# Altium PCB PCB.PcbDoc (part 1 of 2)
Units mil, origin at the board's own origin, x right, y up, seen from the top; angles counter-clockwise.
Board outline 5365 x 4803.15 mil, 2 copper layers (Top Layer, Bottom Layer); 200 components, 155 nets, 566 pads, 109 vias.
Unrouted connection lines stored in the file: 117.
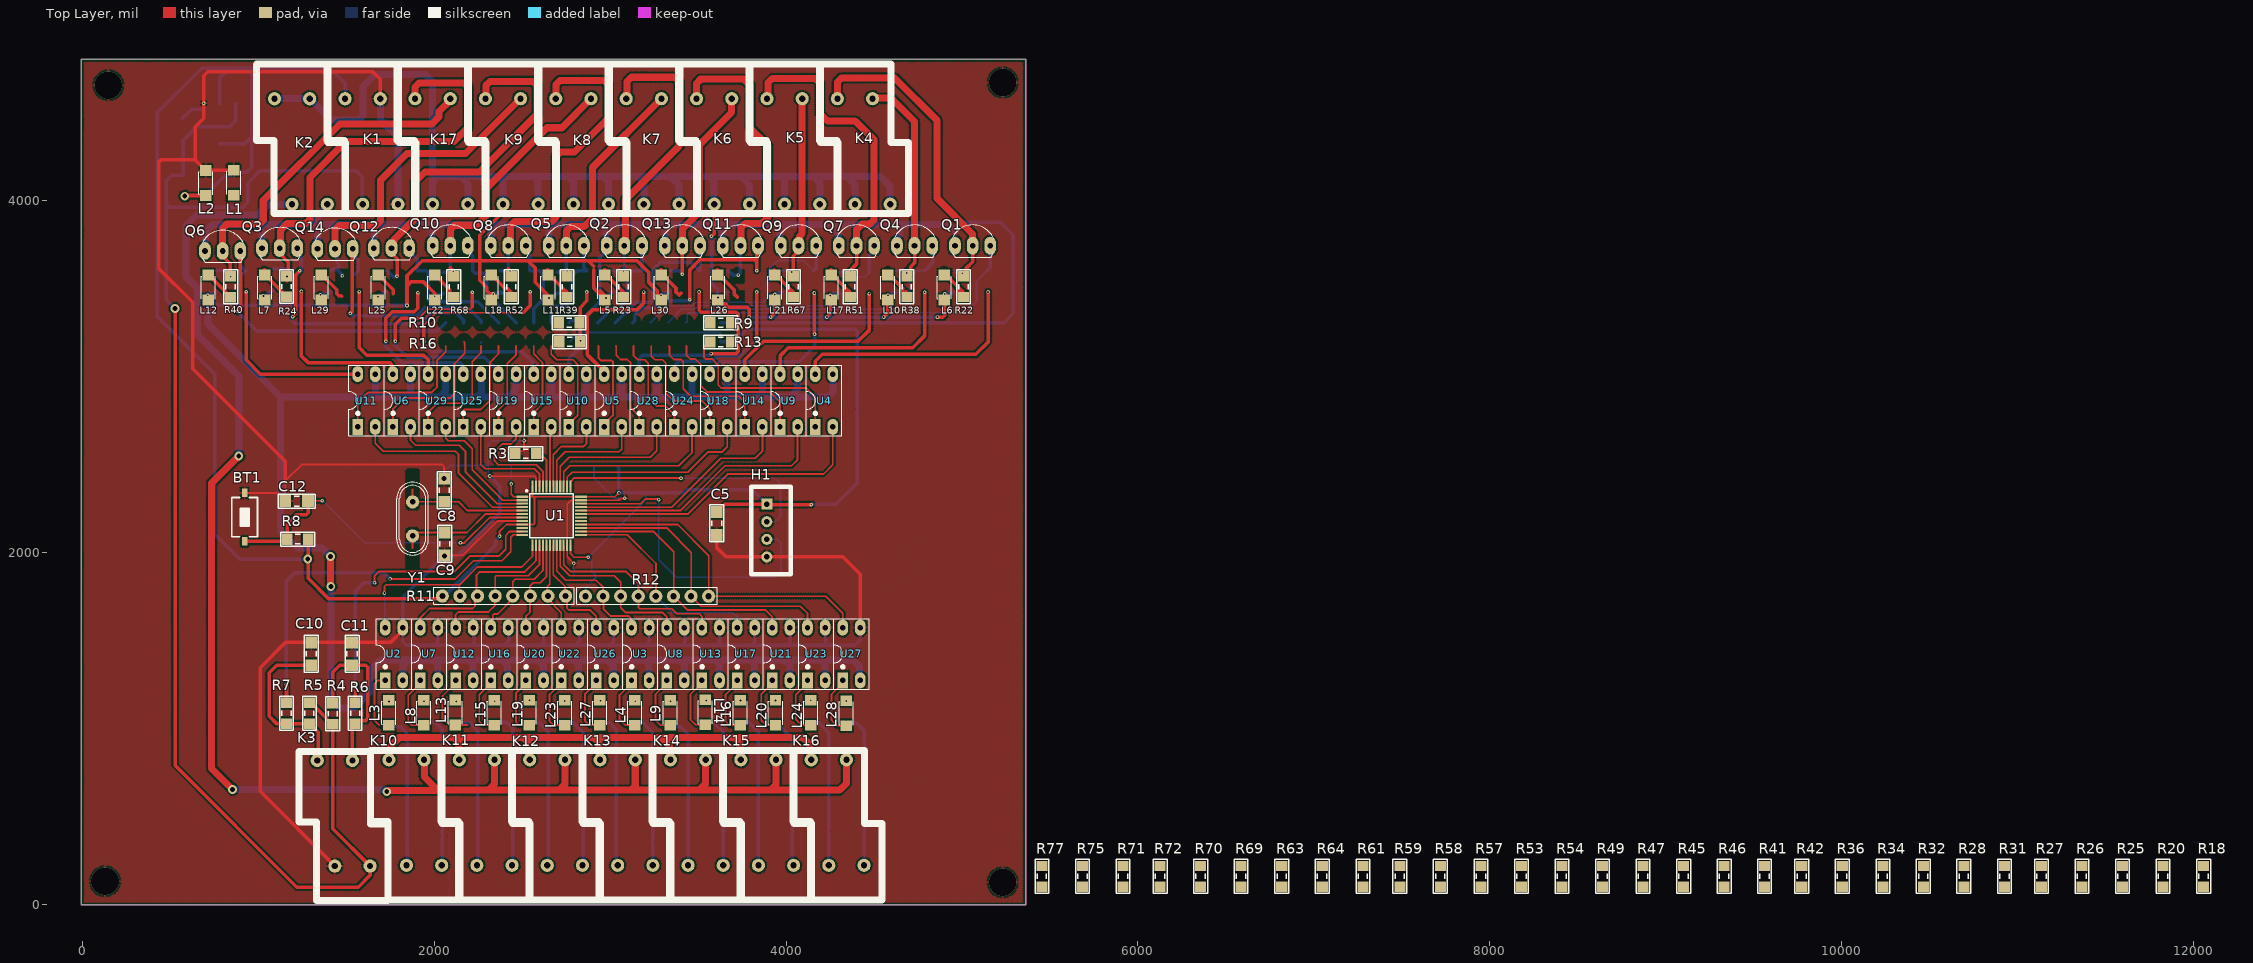
[diagram p0: Top Layer view]
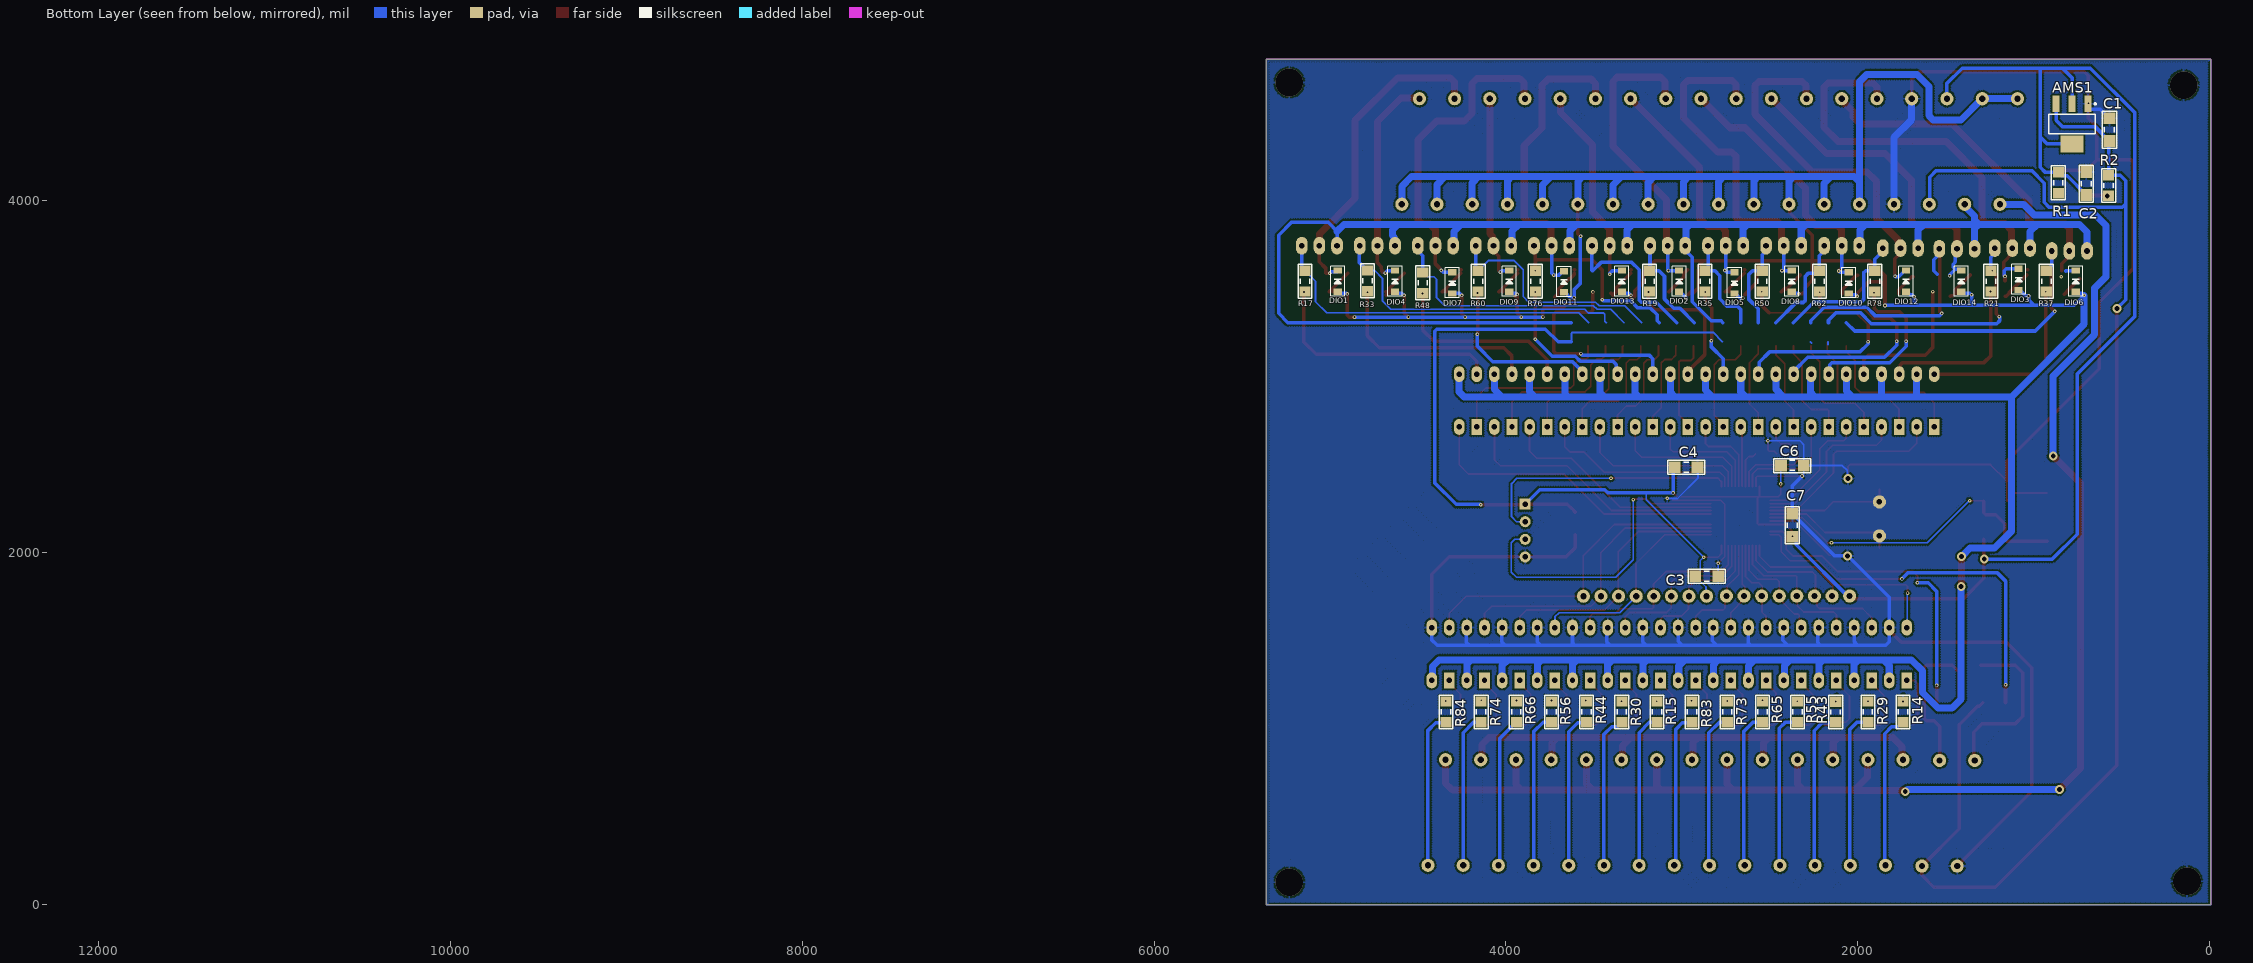
[diagram p1: Bottom Layer view, seen from below]

## Layer stack, top to bottom
Top Solder: solder mask 0.4, Solder Resist, Dk 3.5
Top Layer: signal copper 1.4
Dielectric 1: dielectric 12.6, FR-4, Dk 4.8
Bottom Layer: signal copper 1.4
Bottom Solder: solder mask 0.4, Solder Resist, Dk 3.5

## Board outline
-4,-3 -4,4800.15 5361,4800.15 5361,-3

## Design rules (kind name [scope] priority, off if disabled: settings)
Clearance [All] p1: gap=10 ignorepadtopadclearanceinfootprint=FALSE
PolygonConnect [All] p1: connectstyle=Relief reliefconductorwidth=10 reliefentries=4 polygonreliefangle="90 Angle" airgapwidth=10
RoutingVias [All] p1: holewidth=15 width=30 viastyle="Through Hole" minholewidth=10 minwidth=20 maxholewidth=28 maxwidth=50
SolderMaskExpansion [All] p1: expansion=4 istentingtop=FALSE
Width [All] p1: maxlimit=40 minlimit=10 preferedwidth=20
30 further rules are at their usual default settings.

## Components (designator, comment, footprint, x,y, rotation, side; value= is the part's Value field where it differs from the comment)
AMS1 "AMS1117-3.3V" SOT223 783,4434 r0 bottom value="AMS1117-3.3V SOT223"
BT1 "Nut Nhan 2 Chan SMD 3x6x2.5" "Nut Nhan 2 Chan SMD 3x6x2.5" 923.37,2199.26 r270 top
C1 "106" "tu 1206" 570,4401 r90 bottom
C2 "106" "tu 1206" 702,4095 r90 bottom
C3 "104" "tu 1206" 2858.77,1863.24 r180 bottom
C4 "104" "tu 1206" 2976.56,2482.47 r180 bottom
C5 "104" "tu 1206" 3605.14,2163.41 r270 top
C6 "104" "tu 1206" 2372.23,2492.32 r180 bottom
C7 "104" "tu 1206" 2372,2153 r90 bottom
C8 "22pF" "tu 1206" 2058,2352 r90 top
C9 "104" "tu 1206" 2060,2047 r270 top
C10 "104" "tu 1206" 1302,1422 r90 top
C11 "104" "tu 1206" 1534,1422 r90 top
C12 "105" "tu 1206" 1218.96,2290.31 r180 top
DIO1 "Diode SMD" DIO-SMD-123 4955.18,3540.31 r270 bottom value=1N5007
DIO2 "Diode SMD" DIO-SMD-123 3016.2,3540.31 r270 bottom value=1N5007
DIO3 "Diode SMD" DIO-SMD-123 1087.07,3550.15 r270 bottom value=1N5007
DIO4 "Diode SMD" DIO-SMD-123 4630.38,3540.31 r270 bottom value=1N5007
DIO5 "Diode SMD" DIO-SMD-123 2701.24,3530.46 r270 bottom value=1N5007
DIO6 "Diode SMD" DIO-SMD-123 762.27,3540.31 r270 bottom value=1N5007
DIO7 "Diode SMD" DIO-SMD-123 4305.57,3530.46 r270 bottom value=1N5007
DIO8 "Diode SMD" DIO-SMD-123 2376.44,3540.31 r270 bottom value=1N5007
DIO9 "Diode SMD" DIO-SMD-123 3980.77,3540.31 r270 bottom value=1N5007
DIO10 "Diode SMD" DIO-SMD-123 2051.64,3530.46 r270 bottom value=1N5007
DIO11 "Diode SMD" DIO-SMD-123 3670.14,3537.14 r270 bottom value=1N5007
DIO12 "Diode SMD" DIO-SMD-123 1726.83,3540.31 r270 bottom value=1N5007
DIO13 "Diode SMD" DIO-SMD-123 3341.01,3540.31 r270 bottom value=1N5007
DIO14 "Diode SMD" DIO-SMD-123 1411.87,3540.31 r270 bottom value=1N5007
H1 "Header 4P 2.54 Duc Thang" XH2.54M-4 3890.57,2273.25 r270 top
K1 "Domino" KF128HL_2P 1594.19,3976.77 r90 top
K2 "Domino" KF128HL_2P 1193,3977 r90 top
K3 "Domino" KF128HL_2P 1536.01,816.53 r270 top
K4 "Domino" KF128HL_2P 4391.65,3977.32 r90 top
K5 "Domino" KF128HL_2P 3991.65,3977.32 r90 top
K6 "Domino" KF128HL_2P 3591.65,3977.32 r90 top
K7 "Domino" KF128HL_2P 3191.65,3977.32 r90 top
K8 "Domino" KF128HL_2P 2791.65,3977.32 r90 top
K9 "Domino" KF128HL_2P 2391.65,3977.32 r90 top
K10 "Domino" KF128HL_2P 1943.09,820.46 r270 top
K11 "Domino" KF128HL_2P 2343.09,820.46 r270 top
K12 "Domino" KF128HL_2P 2743.09,820.46 r270 top
K13 "Domino" KF128HL_2P 3143.09,820.46 r270 top
K14 "Domino" KF128HL_2P 3543.09,820.46 r270 top
K15 "Domino" KF128HL_2P 3943.09,820.46 r270 top
K16 "Domino" KF128HL_2P 4343.09,820.46 r270 top
K17 "Domino" KF128HL_2P 1991.65,3977.32 r90 top
L1 "LED 0805" LED-1206-Red 861,4029 r90 top
L2 "LED 0805" LED-1206-Red 702,4027 r90 top
L3 "LED 0805" LED-1206-Green 1742.31,1158.3 r270 top
L4 "LED 0805" LED-1206-Green 3140.95,1158.3 r270 top
L5 "LED 0805" LED-1206-Green 2969.03,3575.24 r270 top
L6 "LED 0805" LED-1206-Green 4900.15,3575.24 r270 top
L7 "LED 0805" LED-1206-Green 1037.91,3575.24 r270 top
L8 "LED 0805" LED-1206-Green 1942.11,1158.3 r270 top
L9 "LED 0805" LED-1206-Green 3340.76,1158.3 r270 top
L10 "LED 0805" LED-1206-Green 4578.3,3575.24 r270 top
L11 "LED 0805" LED-1206-Green 2647.18,3575.24 r270 top
L12 "LED 0805" LED-1206-Green 716.06,3575.24 r270 top
L13 "LED 0805" LED-1206-Green 2121,1160 r270 top
L14 "LED 0805" LED-1206-Green 3542,1161 r270 top
L15 "LED 0805" LED-1206-Green 2341.73,1158.3 r270 top
L16 "LED 0805" LED-1206-Green 3740.37,1158.3 r270 top
L17 "LED 0805" LED-1206-Green 4256.45,3575.24 r270 top
L18 "LED 0805" LED-1206-Green 2325.32,3575.24 r270 top
L19 "LED 0805" LED-1206-Green 2541.53,1158.3 r270 top
L20 "LED 0805" LED-1206-Green 3940.18,1158.3 r270 top
L21 "LED 0805" LED-1206-Green 3934.59,3575.24 r270 top
L22 "LED 0805" LED-1206-Green 2003.47,3575.24 r270 top
L23 "LED 0805" LED-1206-Green 2741.34,1158.3 r270 top
L24 "LED 0805" LED-1206-Green 4139.99,1158.3 r270 top
L25 "LED 0805" LED-1206-Green 1681.62,3575.24 r270 top
L26 "LED 0805" LED-1206-Green 3612.74,3575.24 r270 top
L27 "LED 0805" LED-1206-Green 2941.15,1158.3 r270 top
L28 "LED 0805" LED-1206-Green 4342,1156 r270 top
L29 "LED 0805" LED-1206-Green 1359.76,3575.24 r270 top
L30 "LED 0805" LED-1206-Green 3290.89,3575.24 r270 top
Q1 "2SA1020" TO92-123 5060,3742 r0 top value=A1015
Q2 "2SA1020" TO92-123 3081.38,3742 r0 top value=A1015
Q3 "2SA1020" TO92-123 1122,3728 r0 top value=A1015
Q4 "2SA1020" TO92-123 4730.23,3742 r0 top value=A1015
Q5 "2SA1020" TO92-123 2751.62,3742 r0 top value=A1015
Q6 "2SA1020" TO92-123 798,3712 r0 top value=A1015
Q7 "2SA1020" TO92-123 4400.46,3742 r0 top value=A1015
Q8 "2SA1020" TO92-123 2421.85,3742 r0 top value=A1015
Q9 "2SA1020" TO92-123 4070.69,3742 r0 top value=A1015
Q10 "2SA1020" TO92-123 2092.08,3742 r0 top value=A1015
Q11 "2SA1020" TO92-123 3740.92,3742 r0 top value=A1015
Q12 "2SA1020" TO92-123 1758,3728 r0 top value=A1015
Q13 "2SA1020" TO92-123 3411.15,3742 r0 top value=A1015
Q14 "2SA1020" TO92-123 1437,3724 r0 top value=A1015
R1 "1k" "tro smd 1206" 861,4099.06 r90 bottom
R2 "1k" "tro smd 1206" 575,4084 r90 bottom
R3 "10k" "tro smd 1206" 2521,2560 r180 top
R4 "10k" "tro smd 1206" 1424,1082 r270 top
R5 "10k" "tro smd 1206" 1291.17,1085.32 r90 top
R6 "10k" "tro smd 1206" 1551.17,1085.32 r270 top
R7 "10k" "tro smd 1206" 1161.17,1085.32 r270 top
R8 "10k" "tro smd 1206" 1224.87,2073.77 r0 top
R9 "100K" "tro smd 1206" 3629,3304 r180 top
R10 "100K" "tro smd 1206" 2767,3304 r180 top
R11 "1kOhm" RESISTOR_BAR 2047,1751 r0 top
R12 "1kOhm" RESISTOR_BAR 2860,1750 r0 top
R13 "100K" "tro smd 1206" 3628,3195 r180 top
R14 "1.8k" "tro smd 1206" 1743.24,1092.36 r90 bottom
R15 "1.8k" "tro smd 1206" 3141.89,1092.36 r90 bottom
R16 "470k" "tro smd 1206" 2770,3196 r180 top
R17 "10k" "tro smd 1206" 5142.19,3540.31 r270 bottom
R18 "10k" "tro smd 1206" 12056,158 r90 top
R19 "470k" "tro smd 1206" 3183.53,3540.31 r270 bottom
R20 "470k" "tro smd 1206" 11825,158 r90 top
R21 "10k" "tro smd 1206" 1244.55,3540.31 r270 bottom
R22 "2.2k" "tro smd 1206" 5008.38,3509.31 r90 top
R23 "2.2k" "tro smd 1206" 3077.25,3509.31 r90 top
R24 "2.2k" "tro smd 1206" 1161,3510.06 r90 top
R25 "100K" "tro smd 1206" 11595,158 r90 top
R26 "100K" "tro smd 1206" 11364,158 r90 top
R27 "100K" "tro smd 1206" 11134,158 r90 top
R28 "470k" "tro smd 1206" 10693,158 r90 top
R29 "1.8k" "tro smd 1206" 1943.05,1092.36 r90 bottom
R30 "1.8k" "tro smd 1206" 3341.7,1092.36 r90 bottom
R31 "10k" "tro smd 1206" 10924,158 r90 top
R32 "470k" "tro smd 1206" 10463,158 r90 top
R33 "10k" "tro smd 1206" 4787,3542 r270 bottom
R34 "470k" "tro smd 1206" 10233,158 r90 top
R35 "10k" "tro smd 1206" 2868.57,3540.31 r270 bottom
R36 "2.2k" "tro smd 1206" 10002,158 r90 top
R37 "2.2k" "tro smd 1206" 929.59,3540.31 r270 bottom
R38 "2.2k" "tro smd 1206" 4686.52,3509.31 r90 top
R39 "100K" "tro smd 1206" 2755.4,3509.31 r90 top
R40 "100K" "tro smd 1206" 844,3509 r90 top
R41 "470k" "tro smd 1206" 9561,158 r90 top
R42 "10k" "tro smd 1206" 9772,158 r90 top
R43 "1.8k" "tro smd 1206" 2126,1092 r90 bottom
R44 "1.8k" "tro smd 1206" 3541.5,1092.36 r90 bottom
R45 "470k" "tro smd 1206" 9101,158 r90 top
R46 "10k" "tro smd 1206" 9331,158 r90 top
R47 "2.2k" "tro smd 1206" 8870,158 r90 top
R48 "2.2k" "tro smd 1206" 4472.9,3530.46 r270 bottom
R49 "100K" "tro smd 1206" 8640,158 r90 top
R50 "100K" "tro smd 1206" 2543.76,3540.31 r270 bottom
R51 "470k" "tro smd 1206" 4364.67,3509.31 r90 top
R52 "10k" "tro smd 1206" 2438.5,3509.31 r90 top
R53 "470k" "tro smd 1206" 8179,158 r90 top
R54 "10k" "tro smd 1206" 8409,158 r90 top
R55 "1.8k" "tro smd 1206" 2342.66,1092.36 r90 bottom
R56 "1.8k" "tro smd 1206" 3741.31,1092.36 r90 bottom
R57 "2.2k" "tro smd 1206" 7949,158 r90 top
R58 "2.2k" "tro smd 1206" 7718,158 r90 top
R59 "100K" "tro smd 1206" 7488,158 r90 top
R60 "100K" "tro smd 1206" 4157.94,3540.31 r270 bottom
R61 "470k" "tro smd 1206" 7278,158 r90 top
R62 "10k" "tro smd 1206" 2218.96,3540.31 r270 bottom
R63 "470k" "tro smd 1206" 6817,158 r90 top
R64 "10k" "tro smd 1206" 7047,158 r90 top
R65 "1.8k" "tro smd 1206" 2542.47,1092.36 r90 bottom
R66 "1.8k" "tro smd 1206" 3941.12,1092.36 r90 bottom
R67 "2.2k" "tro smd 1206" 4042.81,3509.31 r90 top
R68 "2.2k" "tro smd 1206" 2111.69,3509.31 r90 top
R69 "100K" "tro smd 1206" 6586,158 r90 top
R70 "100K" "tro smd 1206" 6356,158 r90 top
R71 "470k" "tro smd 1206" 5915,158 r90 top
R72 "10k" "tro smd 1206" 6126,158 r90 top
R73 "1.8k" "tro smd 1206" 2742.28,1092.36 r90 bottom
R74 "1.8k" "tro smd 1206" 4140.92,1092.36 r90 bottom
R75 "470k" "tro smd 1206" 5685,158 r90 top
R76 "10k" "tro smd 1206" 3833.13,3540.31 r270 bottom
R77 "2.2k" "tro smd 1206" 5454,158 r90 top
R78 "2.2k" "tro smd 1206" 1904,3540.31 r270 bottom
R83 "1.8k" "tro smd 1206" 2942.08,1092.36 r90 bottom
R84 "1.8k" "tro smd 1206" 4340.73,1092.36 r90 bottom
U1 "STM32F103C8T6" LQFP-48_19.6_393_58X11_SMD 2667.5,2206.88 r0 top
U2 "PC817" DIP4 1721.79,1271.62 r0 top
U3 "PC817" DIP4 3121.79,1271.62 r0 top
U4 "PC817" DIP4 4165.74,2711.95 r0 top
U5 "PC817" DIP4 2965.74,2711.95 r0 top
U6 "PC817" DIP4 1765.74,2711.95 r0 top
U7 "PC817" DIP4 1921.79,1271.62 r0 top
U8 "PC817" DIP4 3321.79,1271.62 r0 top
U9 "PC817" DIP4 3965.74,2711.95 r0 top
U10 "PC817" DIP4 2765.74,2711.95 r0 top
U11 "PC817" DIP4 1565.74,2711.95 r0 top
U12 "PC817" DIP4 2121.79,1271.62 r0 top
U13 "PC817" DIP4 3521.79,1271.62 r0 top
U14 "PC817" DIP4 3765.74,2711.95 r0 top
U15 "PC817" DIP4 2565.74,2711.95 r0 top
U16 "PC817" DIP4 2321.79,1271.62 r0 top
U17 "PC817" DIP4 3721.79,1271.62 r0 top
U18 "PC817" DIP4 3565.74,2711.95 r0 top
U19 "PC817" DIP4 2365.74,2711.95 r0 top
U20 "PC817" DIP4 2521.79,1271.62 r0 top
U21 "PC817" DIP4 3921.79,1271.62 r0 top
U22 "PC817" DIP4 2721.79,1271.62 r0 top
U23 "PC817" DIP4 4121.79,1271.62 r0 top
U24 "PC817" DIP4 3365.74,2711.95 r0 top
U25 "PC817" DIP4 2165.74,2711.95 r0 top
U26 "PC817" DIP4 2921.79,1271.62 r0 top
U27 "PC817" DIP4 4321.79,1271.62 r0 top
U28 "PC817" DIP4 3165.74,2711.95 r0 top
U29 "PC817" DIP4 1965.74,2711.95 r0 top
Y1 "16Mhz" "Thach Anh 2 chan cam" 1877.91,2189.21 r270 top value=4Mhz

## Footprints (in the part's own frame and the unit in brackets; to place one, negate y for a bottom-side part, rotate by r counter-clockwise, add the part's x,y. Pads: shape width x height; smd on the part's side, far side on the other; paste and mask are expansions set on the pad)
DIO-SMD-123 [mm]
  rect 0.9x1.2 smd: 1(1.524,0) 2(-1.524,0)
  silkscreen extent -2.16,-1.02 2.16,1.02, body extent -1.76,-0.8 1.94,0.8, height 1.25
DIP4 [mil]
  rect 60x90 hole 31: 1(0,0)
  oval 60x90 hole 31: 2(100,0) 3(100,300) 4(0,300)
  silkscreen extent -50,-50 150,350, body extent -59,-10 159,305, height 170
KF128HL_2P [mm]
  round 1.9 hole 0.9 mask+0.1: 1(0,0) 2(0,-5.08) 3(15.24,2.54) 4(15.24,-2.54)
  silkscreen extent -1.32,-7.72 20.24,5.16, body extent -1.1,-7.92 20.2,5.38, height 25.4
LED-1206-Green [mil]
  rect 60x65 smd: 1(0,0) 2(142,0)
  silkscreen extent 6,-40 136,40, body extent 7,-31 133,32, height 43
LED-1206-Red [mil]
  rect 60x65 smd: 1(0,0) 2(142,0)
  silkscreen extent 6,-40 136,40, body extent 7,-31 133,31, height 43
LQFP-48_19.6_393_58X11_SMD [mm] "48LQFP"
  rect 1.7x0.3 smd mask+0.076: 1(-4.238,2.75) 2(-4.238,2.25) 3(-4.238,1.75) 4(-4.238,1.25) 5(-4.238,0.75) 6(-4.238,0.25) 7(-4.238,-0.25) 8(-4.238,-0.75) 9(-4.238,-1.25) 10(-4.238,-1.75) 11(-4.238,-2.25) 12(-4.238,-2.75) 25(4.238,-2.75) 26(4.238,-2.25) 27(4.238,-1.75) 28(4.238,-1.25) 29(4.238,-0.75) 30(4.238,-0.25) 31(4.238,0.25) 32(4.238,0.75) 33(4.238,1.25) 34(4.238,1.75) 35(4.238,2.25) 36(4.238,2.75)
  rect 0.3x1.7 smd mask+0.076: 13(-2.75,-4.238) 14(-2.25,-4.238) 15(-1.75,-4.238) 16(-1.25,-4.238) 17(-0.75,-4.238) 18(-0.25,-4.238) 19(0.25,-4.238) 20(0.75,-4.238) 21(1.25,-4.238) 22(1.75,-4.238) 23(2.25,-4.238) 24(2.75,-4.238) 37(2.75,4.238) 38(2.25,4.238) 39(1.75,4.238) 40(1.25,4.238) 41(0.75,4.238) 42(0.25,4.238) 43(-0.25,4.238) 44(-0.75,4.238) 45(-1.25,4.238) 46(-1.75,4.238) 47(-2.25,4.238) 48(-2.75,4.238)
  silkscreen extent -3.72,-3.15 3.15,3.72, body extent -4.5,-4.5 4.5,4.5, height 1.7
"Nut Nhan 2 Chan SMD 3x6x2.5" [mm] "Switch SMD type"
  rect 1.2x0.8 smd: 1(-3.5,0) 2(3.5,0)
  silkscreen extent -2.82,-1.85 2.82,1.85, body extent -3.05,-1.85 3.05,1.85, height 2.5
RESISTOR_BAR [mm]
  round 1.9 hole 0.9 mask+0.1: 1(0,0) 2(2.54,0) 3(5.08,0) 4(7.62,0) 5(10.16,0) 6(12.7,0) 7(15.24,0) 8(17.78,0)
  silkscreen extent -1.25,-1.19 19.03,1.3, body extent -1.25,-1.19 19.03,1.3, height 3.95
SOT223 [mm]
  rect 1x2.4 smd: 1(-2.3,-2.9) 2(0,-2.9) 3(2.3,-2.9)
  rect 3.3x2.4 smd: 4(0,2.9)
  silkscreen extent -3.47,-3.02 3.35,1.4, body extent -3.25,-3.56 3.25,3.4, height 1.68
"Thach Anh 2 chan cam" [mm]
  round 1.905 hole 0.8: 1(-2.45,0) 2(2.45,0)
  silkscreen extent -5.28,-2.29 5.21,2.29, body extent -5.68,-2.36 5.68,2.29, height 3.5
TO92-123 [mil] "TO-92"
  oval 66x100 hole 32: 1(-100,0) 2(0,0) 3(100,0)
  silkscreen extent -117,-65 120,118, body extent -109,-66 109,95, height 245
"tro smd 1206" [mm]
  rect 1.5x1.6 smd: 1(-1.5,0) 2(1.5,0)
  silkscreen extent -2.44,-0.99 2.44,0.99, body extent -1.6,-0.8 1.6,0.8, height 0.6
"tu 1206" [mm]
  rect 1.7x1.7 smd: 1(-1.65,0) 2(1.65,0)
  silkscreen extent -2.67,-1.02 2.67,1.02, body extent -1.57,-0.8 1.63,0.8, height 0.94
XH2.54M-4 [mm]
  rect 1.6x1.6 hole 0.8: 1(0,0)
  round 1.6 hole 0.8: 2(2.54,0) 3(5.08,0) 4(7.62,0)
  silkscreen extent -2.48,-2.26 10.1,3.46, body extent -2.48,-2.26 10.1,3.48, height 6.91

## Part data
AMS1: library part "AMS1117 SMD", "Dán", Chung_Loai=Dán, Don_Vi=Con, Ma_Hang=MH000596
C1 C2: library part "Tu 1206 106 16V 20%", "Dán", Chung_Loai=Dán, Don_Vi=Con, Ma_Hang=MH004541, So_Chan=2, Ten_Linh_Kien="Tụ 1206 106-10uF 20% 16V"
C3 C4 C5 C6 C7 C9 C10 C11: library part "Tu 1206 104 50V 20%", "Dán", Chung_Loai=Dán, Don_Vi=Con, Ma_Hang=MH004544, So_Chan=2, Ten_Linh_Kien="Tụ 1206 104-0.1uF 20% 50V"
C8: library part "Tu 1206 22pF 50V 10%", "Dán", Chung_Loai=Dán, Don_Vi=Con, Ma_Hang=MH004547, So_Chan=2, Ten_Linh_Kien="Tụ 1206 22P 10% 50V"
C12: library part "Tu 1206 105 50V 20%", "Dán", Chung_Loai=Dán, Don_Vi=Con, Ma_Hang=MH004545, So_Chan=2, Ten_Linh_Kien="Tụ 1206 105-1uF 20% 50V"
DIO1 DIO2 DIO3 DIO4 DIO5 DIO6 DIO7 DIO8 DIO9 DIO10 DIO11 DIO12 DIO13 DIO14: "Default Diode", Code - JEDEC=DO-214-AB, Published=8-Jun-2000, Publisher="Altium Limited", Revision="July-2002: Re-released for DXP Platform."
H1: "Cắm", Chung_Loai=Cắm, Don_Vi=Con, Ma_Hang=MH001285, Ten_Linh_Kien="Header 4P XH2.54-4P Đực Thẳng"
K1 K2 K3 K4 K5 K6 K7 K8 K9 K10 K11 K12 K13 K14 K15 K16 K17: library part KF128HL_2P
L1 L2: library part "LED 1206 Do", "Dán", Chung_Loai=Dán, Don_Vi=Con, Ma_Hang=MH002334, Ten_Linh_Kien="LED1206 Màu Đỏ (Red)"
L3 L4 L5 L6 L7 L8 L9 L10 L11 L12 L13 L14 L15 L16 L17 L18 L19 L20 L21 L22 L23 L24 L25 L26 L27 L28 L29 L30: library part "LED 1206 Xanh La", "Dán", Chung_Loai=Dán, Don_Vi=Con, Ma_Hang=MH002947, Ten_Linh_Kien="LED1206 Màu Xanh Lá (Green)"
Q1 Q2 Q3 Q4 Q5 Q6 Q7 Q8 Q9 Q10 Q11 Q12 Q13 Q14: library part 2SA1015, "PNP 600mW, ECB"
R1 R2: library part "Tro 1206 5% 1k", "Dán", Chung_Loai=Dán, Don_Vi=Con, Ma_Hang=MH005904, So_Chan=2, Ten_Linh_Kien="Trở 1206 5% 1k"
R3 R4 R5 R6 R7 R17 R18 R21 R31 R33 R35 R42 R46 R52 R54 R62 R64 R72 R76: library part "Tro 1206 5% 10k", "Dán", Chung_Loai=Dán, Don_Vi=Con, Ma_Hang=MH005909, So_Chan=2, Ten_Linh_Kien="Trở 1206 5% 10K"
R8: library part "Tro 1206 1% 10k", "Dán", Chung_Loai=Dán, Don_Vi=Con, Ma_Hang=MH005885, So_Chan=2, Ten_Linh_Kien="Trở 1206 1% 10k"
R9 R10 R13 R25 R26 R27 R39 R40 R49 R50 R59 R60 R69 R70: library part "Tro 1206 5% 100K", "Dán", Chung_Loai=Dán, Don_Vi=Con, Ma_Hang=MH005921, So_Chan=2, Ten_Linh_Kien="Trở 1206 5% 100k"
R11 R12: library part resistor_bar, "resistor bar 1kOhm"
R14 R15 R29 R30 R43 R44 R55 R56 R65 R66 R73 R74 R83 R84: library part "Tro 1206 1% 2k", "Dán", Chung_Loai=Dán, Don_Vi=Con, Ma_Hang=MH005883, So_Chan=2, Ten_Linh_Kien="Trở 1206 1% 2k"
R16 R19 R20 R28 R32 R34 R41 R45 R51 R53 R61 R63 R71 R75: library part "Tro 1206 1% 470k", "Dán", Chung_Loai=Dán, Don_Vi=Con, Ma_Hang=MH005899, So_Chan=2, Ten_Linh_Kien="Trở 1206 5% 470k"
R22 R23 R24 R36 R37 R38 R47 R48 R57 R58 R67 R68 R77 R78: library part "Tro 1206 1% 2.2k", "Dán", Chung_Loai=Cắm, Don_Vi=Con, Ma_Hang=MH005882, So_Chan=2, Ten_Linh_Kien="Trở 1206 1% 2.2k"
U1: library part IC_STM32F103C8T6, "ARM® Cortex®-M3 STM32F1 Microcontroller IC 32-Bit 72MHz 64KB (64K x 8) FLASH 48-LQFP (7x7)", Alternate Part Number-1=NA, Case/Package=LQFP48, Manufacturer=STMicroelectronics, Manufacturer Part Number=STM32F103C8T6, Supplier Part Number-1=STM32F103C8T6, Supplier-1=LCSC
U2 U3 U4 U5 U6 U7 U8 U9 U10 U11 U12 U13 U14 U15 U16 U17 U18 U19 U20 U21 U22 U23 U24 U25 U26 U27 U28 U29: "Single Opto"
Y1: library part "Thach Anh 2 chan Cam", "Crystal For all Crystal 2pin."
BT1: Ma_Hang=MH001036, Ten="Nút Nhấn 2 Chân 3x6x2.5MM SMD"

## Via types
v1: diameter 20, hole 10, Top Layer to Bottom Layer, 95 vias
v2: diameter 50, hole 28, Top Layer to Bottom Layer, 10 vias
v3: diameter 157.48, hole 157.48, Top Layer to Bottom Layer, 4 vias

## Nets (pads, with @x,y where several pads share a name; then routed paths per layer and width w, separated by ;. In a path a pad name is that pad's centre, name@x,y a point inside that pad or via, vN(x,y) a via of type N, cw(c..) or ccw(c..) an arc to the next point about the centre after c; other vN are vias at no path point)
3V3: AMS1.2 AMS1.4 C2.1 C3.1 C4.1 C5.1 C6.1 C7.1 H1.1 K1.3 R1.2 R8.2 R11.1 R12.1 R16.1 R19.1 R20.1 R28.1 R32.1 R34.1 R41.1 R45.1 R51.1 R61.1 R71.1 R75.1 U1.1 U1.9 U1.24 U1.36 U1.48 | length 13942.6
  Top Layer w10: v1(2372,2090) 2372,2118 2411.67,2157.67 U1.9@2500.65,2157.67 2565.14,2157.67 2571,2163.53 2571,2303 2558.85,2315.15 ; v1(2438,2388) 2438,2386 2439,2385 2439,2329 2452.19,2315.81 2499.99,2315.81 U1.1@2500.65,2315.15 2558.85,2315.15 ; U1.48@2559.24,2373.73 2558.85,2373.35 2558.85,2315.15 ; U1.24@2775.77,2040.03 2775.77,1991.23 2795,1972 v1(2876,1972) ; v1(3050,2337) 3028.15,2315.15 U1.36@2834.35,2315.15 2558.85,2315.15 ; C5.1@3605.14,2228.37 C5.1@3607.63,2228.37
  Top Layer w20: R8.2@1283.92,2073.77 1283.92,1852.08 1400,1736 R11.1@2052.72,1736 ; C5.1@3607.63,2228.37 3607.63,2230.86 3628.61,2251.83 3631.09,2251.83 3652.51,2273.25 H1.1@3890.57,2273.25 3893.83,2270 v1(4143,2270) 4145,2272 v1@4146,2272
  Bottom Layer w10: C6.1@2437.19,2492.32 2438,2491.5 v1(2438,2388) ; 2770,3196 2823,3249 3622.14,3249 3628,3243.14 3628,3195 ; R12.1@2860,1750 2862.9,1752.9 2862.9,1802.4 C3.1@2923.73,1863.24 2895.27,1891.7 2895.27,1952.73 v1(2876,1972) 3203,2299 3203,2337 ; C4.1@3041.52,2482.47 C4.1@3048.26,2475.73
  Bottom Layer w20: C2.1@702,4030.04 810.54,4138.58 841.47,4138.58 R1.2@861,4158.11 934.11,4158.11 964,4188 964,4360 ; AMS1.4@783,4319.83 923.83,4319.83 964,4360 ; AMS1.2@783,4548.17 783,4697 837,4751 ; v2(1282,1962) 1281,1961 895,1961 753,2103 753,3013 428,3338 428,4499.28 679.72,4751 837,4751 ; K1.3@1494.19,4576.77 1494.19,4663.81 1407,4751 964,4751 ; R11.1@2045,1735 2045,1737 2349.34,2041.34 2349.34,2067.34 v1(2372,2090) ; C4.1@3048.26,2475.73 3050,2473.99 v1(3050,2337) 3203,2337 3420.41,2337 3438.41,2355 3808.83,2355 H1.1@3890.57,2273.25 ; 3628,3195 3703,3195 3776,3268 4392.28,3268 4404,3256.28 4404,2393 4283,2272 4145,2272 v1(4143,2270) ; 837,4751 964,4751 ; 964,4360 964,4751
3v3R1: R11.2 U1.13 U2.4 | length 1307
  Top Layer w10: v1(1718,1768) 1718,1806 1727,1815 2141.25,1815 2143.13,1813.13 ; R11.2@2143.13,1718.6 2143.13,1751 2143.13,1813.13 ; U1.13@2559.24,2040.03 2559.24,1977.24 2498,1916 2246,1916 2143.13,1813.13
  Bottom Layer w10: v1(1718,1768) 1719.89,1766.11 1719.89,1573.52 U2.4@1721.79,1571.62
3v3R2: R11.3 U1.14 U7.4 | length 1033.8
  Top Layer w10: U7.4@1921.79,1571.62 1921.79,1627.79 1974,1680 2218.53,1680 2232.6,1694.07 2232.6,1726.47 2241.13,1735 2241.13,1870.13 2259,1888 2515,1888 2578.92,1951.92 U1.14@2578.92,2040.03
3v3R3: R11.4 U1.15 U12.4 | length 855.7
  Top Layer w10: U12.4@2121.79,1571.62 2121.79,1643.79 2138,1660 2308.5,1660 2345,1696.5 R11.4@2345,1735 ; R11.4@2347,1751 2348,1752 2348,1860.14 2353.86,1866 2536,1866 2598.61,1928.61 U1.15@2598.61,2040.03
3v3R4: R11.5 U1.16 U16.4 | length 651.2
  Top Layer w10: U16.4@2321.79,1571.62 2331.35,1581.19 2331.35,1615.83 2333,1617.48 2333,1643.14 2338.86,1649 2362,1649 2445,1732 R11.5@2445,1735 ; R11.5@2447,1751 2447,1833 2460,1846 2568,1846 2618.29,1896.29 U1.16@2618.29,2040.03
3v3R5: R11.6 U1.17 U20.4 | length 526.5
  Top Layer w10: U20.4@2521.79,1571.62 2521.79,1635.79 2545,1659 2545,1702.6 R11.6@2545,1735 ; R11.6@2547,1751 2543,1755 2543,1806 2563,1826 2603,1826 2637.98,1860.98 U1.17@2637.98,2040.03
3v3R6: R11.7 U1.18 U22.4 | length 523.6
  Top Layer w10: R11.7@2643.13,1718.6 2643.13,1803.13 2657.66,1817.66 U1.18@2657.66,2040.03 ; R11.7@2645,1735 2723,1657 2723,1572.83 U22.4@2721.79,1571.62
3v3R7: R11.8 U1.19 U26.4 | length 656.3
  Top Layer w10: U1.19@2677.35,2040.03 2677.35,1872.65 2744,1806 2744,1735 2744,1719.47 R11.8@2743.13,1718.6 ; R11.8@2745,1735 2755.4,1724.6 2755.4,1682.6 2767,1671 2887,1671 2921.79,1636.21 U26.4@2921.79,1571.62
3v3R8: R12.2 U1.20 U3.4 | length 806
  Top Layer w10: U1.20@2697.03,2040.03 2697.03,1892.97 2749,1841 2920,1841 2961.2,1799.8 R12.2@2961.2,1734.8 ; R12.2@2960,1736 R12.2@2961.2,1734.8 ; U3.4@3121.79,1571.62 3117.26,1576.15 3117.26,1625.74 3106,1637 3004,1637 2962,1679 2962,1734 R12.2@2961.2,1734.8
3v3R9: R12.3 U1.21 U8.4 | length 991.3
  Top Layer w10: U1.21@2716.72,2040.03 2716.72,1919.28 2770,1866 3024,1866 3061.2,1828.8 R12.3@3061.2,1736 ; R12.3@3060,1736 3060,1684 3086,1658 3296,1658 3321.79,1632.21 U8.4@3321.79,1571.62
3v3R10: R12.4 U1.22 U13.4 | length 1162.5
  Top Layer w10: U1.22@2736.4,2040.03 2736.4,1929.6 2776,1890 3092,1890 3161.2,1820.8 R12.4@3161.2,1736 ; R12.4@3160,1736 3161.54,1734.46 3161.54,1683.86 3167.4,1678 3351,1678 3379,1650 3508,1650 3521.79,1636.21 U13.4@3521.79,1571.62
3v3R11: R12.5 U1.25 U17.4 | length 1287.8
  Top Layer w10: U1.25@2834.35,2098.61 2834.74,2099 3098,2099 3261.2,1935.8 R12.5@3261.2,1748.8 ; R12.5@3260,1750 R12.5@3261.2,1748.8 ; R12.5@3261.2,1716.6 R12.5@3261.2,1748.8 ; R12.5@3262,1748 R12.5@3261.2,1748.8
  Bottom Layer w10: R12.5@3260,1750 3354,1656 3698,1656 3721.79,1632.21 U17.4@3721.79,1571.62
3v3R12: R12.6 U1.26 U21.4 | length 1499.9
  Top Layer w10: U1.26@2834.35,2118.3 3245.7,2118.3 3361.2,2002.8 R12.6@3361.2,1748.8 ; R12.6@3360,1750 R12.6@3361.2,1748.8 ; U21.4@3921.79,1571.62 3921.79,1632.21 3882,1672 3438,1672 R12.6@3361.2,1748.8
3v3R13: R12.7 U1.27 U23.4 | length 1716.8
  Top Layer w10: U1.27@2834.35,2137.98 3321.02,2137.98 3461.2,1997.8 R12.7@3461.2,1748.8 ; R12.7@3460,1750 R12.7@3461.2,1748.8 ; U23.4@4121.79,1571.62 4121.79,1652.21 4081,1693 3517,1693 R12.7@3461.2,1748.8
3v3R14: R12.8 U1.28 U27.4 | length 1914.4
  Top Layer w10: U1.28@2834.35,2157.67 3384.33,2157.67 3561.2,1980.8 R12.8@3561.2,1750 ; R12.8@3560,1750 R12.8@3561.2,1750 ; U27.4@4321.79,1571.62 4321.79,1653.21 4225,1750 R12.8@3561.2,1750
5V: AMS1.3 C1.1 K1.1 K3.3 R2.2 R4.2 R5.2 | length 8091.6
  Top Layer w20: v2(528,3385) 528,788 1220,96 1568,96 1636.01,164.01 K3.3@1636.01,216.53 1424,428.54 R4.2@1424,1022.94 1422.03,1022.94 1320.13,1124.84 1310.69,1124.84 R5.2@1291.17,1144.37
  Bottom Layer w20: v2(528,3385) 478,3435 478,3980 ; AMS1.3@873.55,4548.17 873.55,4453.55 839,4419 652.96,4419 C1.1@570,4336.04 575,4331.04 R2.2@575,4143.06 510.06,4143.06 478,4111 478,3980 ; K1.1@1594.19,3976.77 1592.66,3978.3 1592.66,4130.81 1554.47,4169 1013,4169 941,4097 941,3988 914,3961 497,3961 478,3980
24V_IN: K2.1 K10.1 K11.1 K12.1 K13.1 K14.1 K15.1 K16.1 | length 8874.2
  Top Layer w40: v2(855,652) 736,771 736,2392 v2(890,2546) ; v2(1731,639) 1733.71,639 1741.71,647 2020,647 ; K10.1@1943.09,820.46 1944.94,818.62 1944.94,723.06 2020,648 2054,648 2309,648 ; K11.1@2343.09,820.46 2343.09,682.09 2309,648 ; K12.1@2743.09,820.46 2743.09,682.09 2709,648 ; K13.1@3143.09,820.46 3143.09,671.43 3119.66,648 ; K14.1@3543.09,820.46 3543.09,684.09 3507,648 ; K15.1@3943.09,820.46 3943.09,680.09 3911,648 ; K16.1@4343.09,820.46 4343.09,686.09 4305,648 3911,648 ; 2309,648 2709,648 ; 2709,648 3119.66,648 ; 3119.66,648 3507,648 ; 3507,648 3911,648
  Bottom Layer w40: v2(855,652) 1718,652 v2(1731,639) ; v2(890,2546) 890,3001 655,3236 655,3500 590,3565 590,3856 650,3916 998,3916 1059,3977 K2.1@1193,3977
24V_OUT: K2.2 Q1.1 Q2.1 Q3.1 Q4.1 Q5.1 Q6.1 Q7.1 Q8.1 Q9.1 Q10.1 Q11.1 Q12.1 Q13.1 Q14.1 R9.2 R10.2 R13.2 R25.2 R26.2 R27.2 R39.2 R40.2 R49.2 R50.2 R59.2 R60.2 R69.2 R70.2 | length 9374
  Bottom Layer w20: 2767,3304 2777.49,3314.49 2832.49,3314.49 2942,3424 2942,3675.28 2981.38,3714.67 Q2.1@2981.38,3742 ; 3629,3304 5239,3304 5292,3357 5292,3801 5219,3874 5010,3874 4960,3824 Q1.1@4960,3742
  Bottom Layer w40: Q6.1@698,3712 698,3820 741,3863 981,3863 ; Q3.1@1022,3728 1022,3822 981,3863 ; Q14.1@1337,3724 1337,3839 1313,3863 ; K2.2@1394.19,3976.77 1394.19,3967.35 1336.43,3909.6 1336.43,3886.43 1313,3863 ; Q12.1@1658,3728 1658,3831 1626,3863 ; Q10.1@1992.08,3742 1987.1,3746.97 1987.1,3831.9 1956,3863 ; Q8.1@2321.85,3742 2321.85,3837.15 2296,3863 ; Q5.1@2651.62,3742 2651.62,3839.57 2628.18,3863 ; Q2.1@2981.38,3742 2976.41,3746.97 2976.41,3840.68 2954.09,3863 ; Q13.1@3311.15,3742 3311.15,3831.85 3280,3863 ; Q11.1@3640.92,3742 3635.95,3746.97 3635.95,3827.05 3600,3863 ; Q9.1@3970.69,3742 3965.72,3746.97 3965.72,3824.28 3927,3863 ; Q7.1@4300.46,3742 4295.49,3746.97 4295.49,3823.51 4256,3863 ; Q4.1@4630.23,3742 4635.21,3746.97 4635.21,3790.07 4644,3798.86 4644,3832 4613,3863 ; 4960,3824 4921,3863 4613,3863 ; 981,3863 1313,3863 ; 1313,3863 1626,3863 ; 1626,3863 1956,3863 ; 1956,3863 2296,3863 ; 2296,3863 2628.18,3863 ; 2628.18,3863 2954.09,3863 ; 2954.09,3863 3280,3863 ; 3280,3863 3600,3863 ; 3600,3863 3927,3863 ; 3927,3863 4256,3863 ; 4256,3863 4613,3863
A: C11.1 K3.1 R4.1 R6.2 | length 984.5
  Top Layer w20: R4.1@1424,1141.06 1424,1317 1464.04,1357.04 C11.1@1534,1357.04 1610.28,1357.04 1622,1345.32 1622,1055 1610.28,1043.28 1568.19,1043.28 R6.2@1551.17,1026.26 1536.01,1011.1 K3.1@1536.01,816.53
B: C10.1 K3.2 R5.1 R7.2 | length 982.7
  Top Layer w20: C10.1@1302,1357.04 1106.04,1357.04 1063,1314 1063,1068 1104.74,1026.26 R5.1@1291.17,1026.26 1293.13,1026.26 1342,977.39 1342,822.52 K3.2@1336.01,816.53
EN_A: R6.1 U1.11 | length 1792.1
  Top Layer w10: v1(1662,1826) 1662,1866 1686,1890 2115,1890 2203,1978 2368,1978 2407,2017 2407,2095 2430.3,2118.3 U1.11@2500.65,2118.3
  Top Layer w20: R6.1@1551.17,1144.37 1551.17,1241.17 v1(1553,1243)
  Bottom Layer w20: v1(1553,1243) 1553,1778 1601,1826 v1(1662,1826)
EN_B: R7.1 U1.12 | length 2216.9
  Top Layer w10: v1(1750,1848) 2120,1848 2224,1952 2386,1952 2436,2002 2436,2085 2449.61,2098.61 U1.12@2500.65,2098.61
  Top Layer w20: v1(1161,1247) 1161.17,1246.83 R7.1@1161.17,1144.37
  Bottom Layer w20: v1(1161,1247) 1161,1836 1207,1882 1716,1882 v1(1750,1848)